# Altium PCB touch-tara-h-3 (final).PcbDoc (part 8 of 8)
Units mm, origin at the board's own origin, x right, y up, seen from the top; angles counter-clockwise.
Board outline 447.8 x 276.35 mm, 2 copper layers (Top Layer, Bottom Layer); 1040 components, 28 nets, 3254 pads, 0 vias.
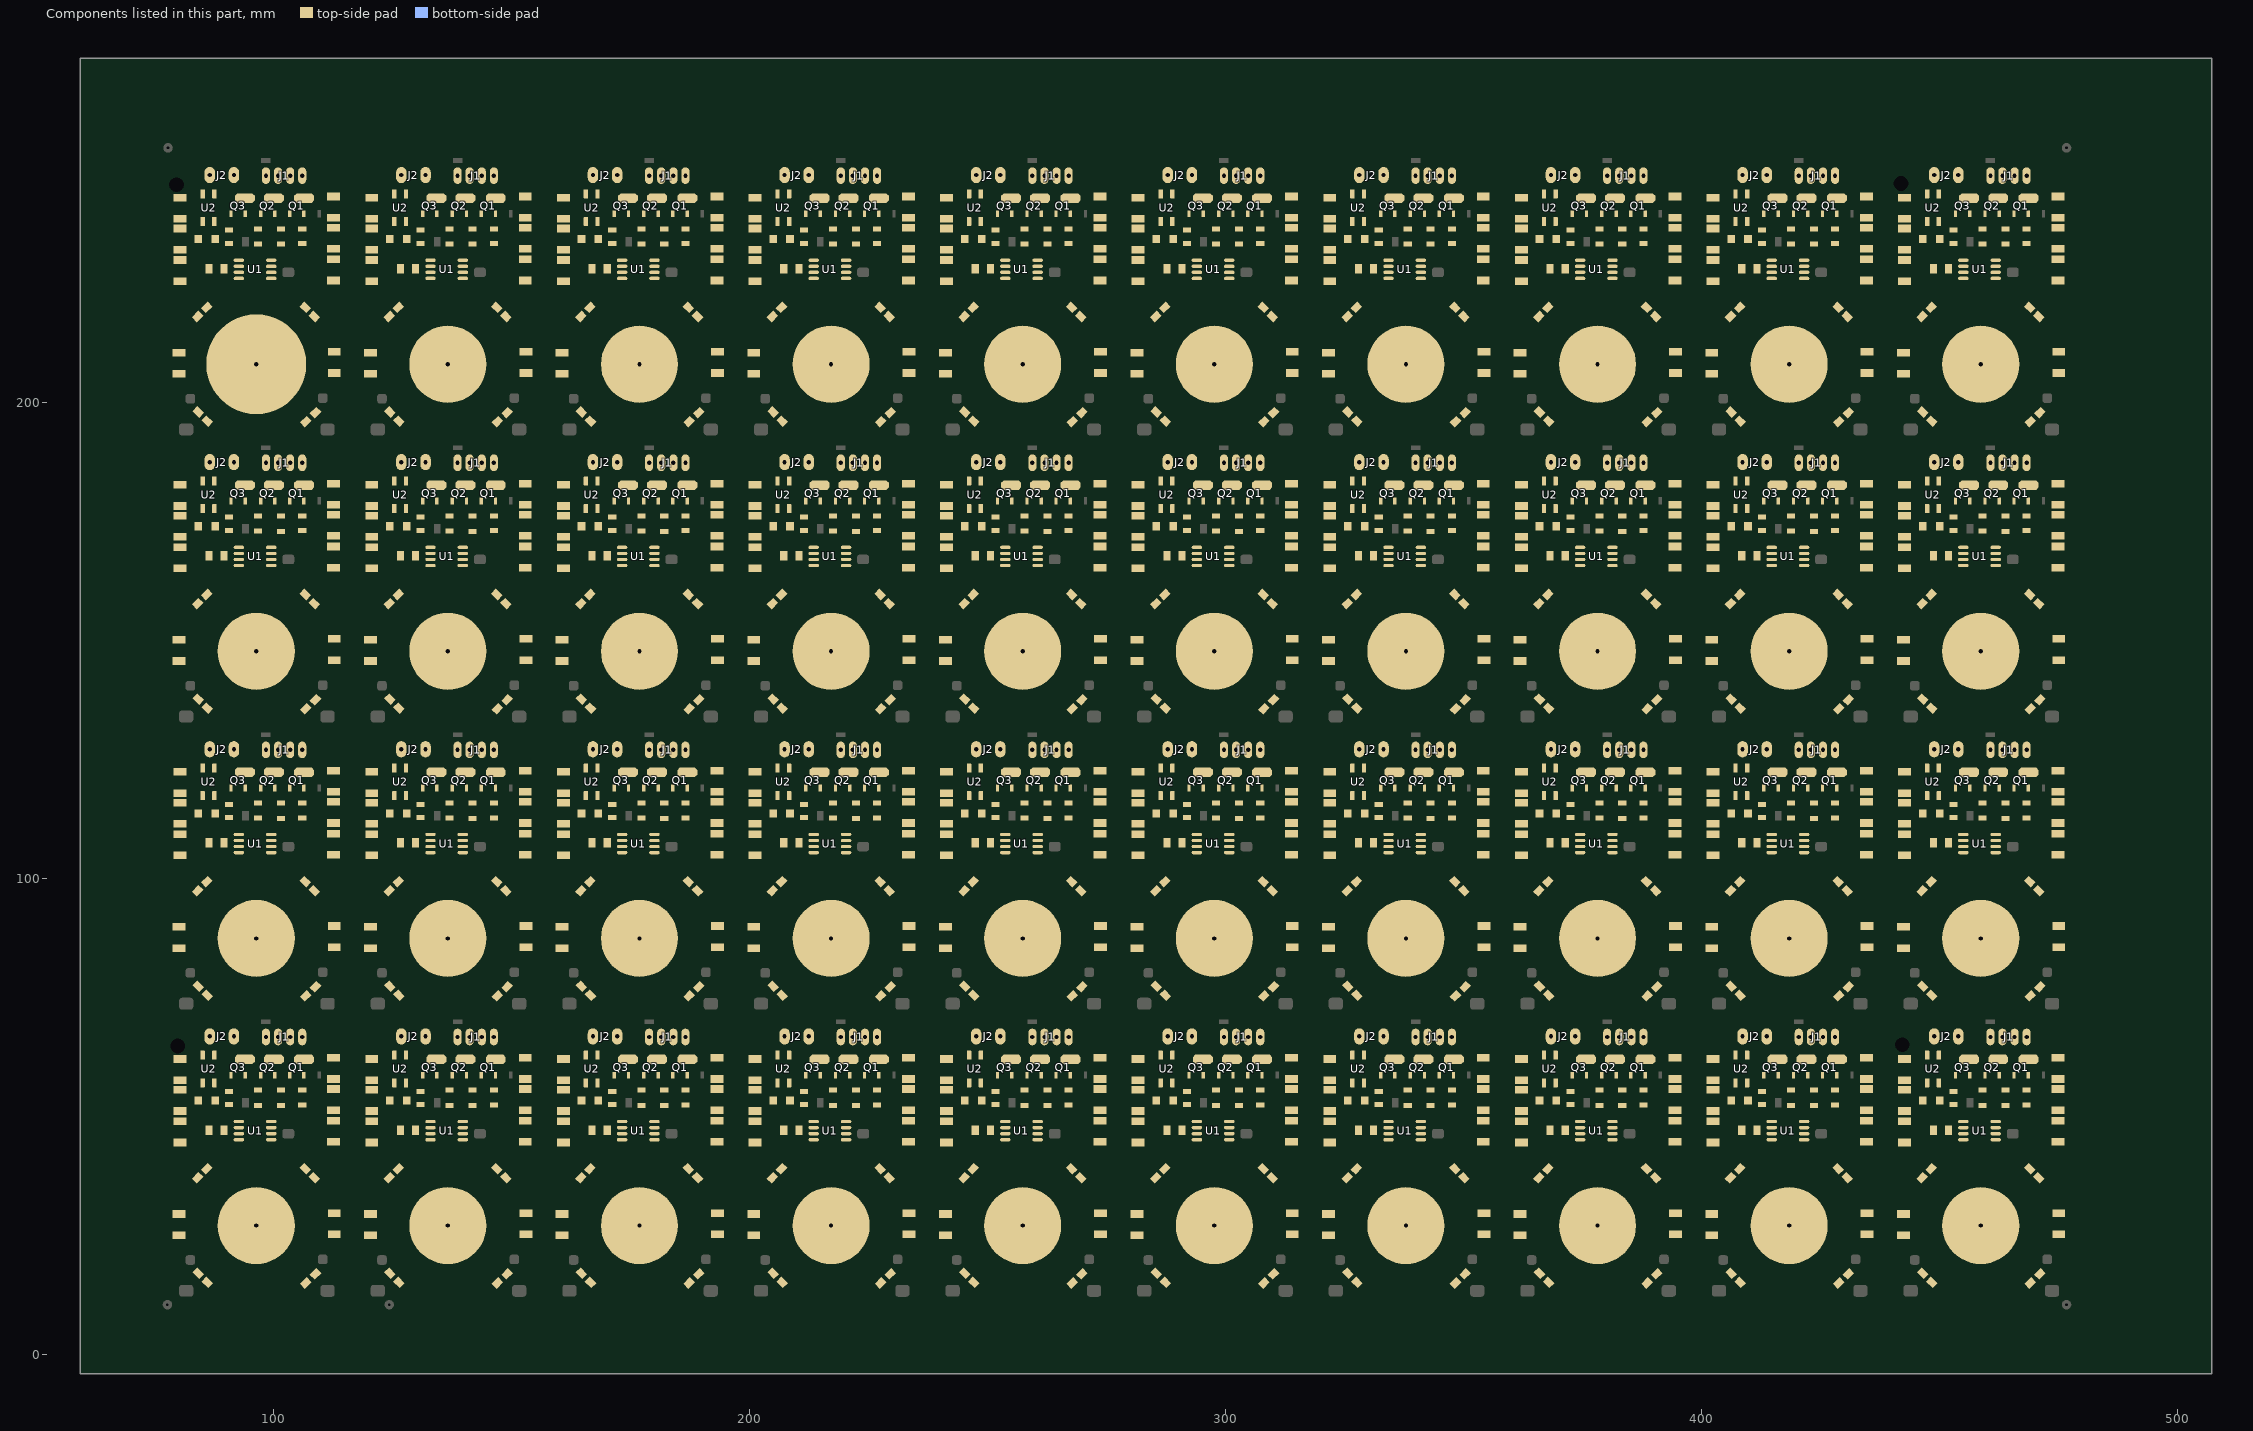
[diagram p8: the components of this part, seen from the top]

## Other copper
Top Layer:
  region net VDD: 105.334,70.612 108.712,70.612 113.919,65.405 113.919,62.738 111.76,62.738 107.95,66.548 107.95,66.802 105.664,66.802 105.537,66.929 105.664,67.056 105.664,69.596 105.029,70.231
  region: 145.593,70.612 148.971,70.612 154.178,65.405 154.178,62.738 152.019,62.738 148.209,66.548 148.209,66.802 145.923,66.802 145.796,66.929 145.923,67.056 145.923,69.596 145.288,70.231
  region: 185.852,70.612 189.23,70.612 194.437,65.405 194.437,62.738 192.278,62.738 188.468,66.548 188.468,66.802 186.182,66.802 186.055,66.929 186.182,67.056 186.182,69.596 185.547,70.231
  region: 226.111,70.612 229.489,70.612 234.696,65.405 234.696,62.738 232.537,62.738 228.727,66.548 228.727,66.802 226.441,66.802 226.314,66.929 226.441,67.056 226.441,69.596 225.806,70.231
  region: 266.37,70.612 269.748,70.612 274.955,65.405 274.955,62.738 272.796,62.738 268.986,66.548 268.986,66.802 266.7,66.802 266.573,66.929 266.7,67.056 266.7,69.596 266.065,70.231
  region: 306.629,70.612 310.007,70.612 315.214,65.405 315.214,62.738 313.055,62.738 309.245,66.548 309.245,66.802 306.959,66.802 306.832,66.929 306.959,67.056 306.959,69.596 306.324,70.231
  region: 346.888,70.612 350.266,70.612 355.473,65.405 355.473,62.738 353.314,62.738 349.504,66.548 349.504,66.802 347.218,66.802 347.091,66.929 347.218,67.056 347.218,69.596 346.583,70.231
  region: 387.147,70.612 390.525,70.612 395.732,65.405 395.732,62.738 393.573,62.738 389.763,66.548 389.763,66.802 387.477,66.802 387.35,66.929 387.477,67.056 387.477,69.596 386.842,70.231
  region: 427.406,70.612 430.784,70.612 435.991,65.405 435.991,62.738 433.832,62.738 430.022,66.548 430.022,66.802 427.736,66.802 427.609,66.929 427.736,67.056 427.736,69.596 427.101,70.231
  region: 467.665,70.612 471.043,70.612 476.25,65.405 476.25,62.738 474.091,62.738 470.281,66.548 470.281,66.802 467.995,66.802 467.868,66.929 467.995,67.056 467.995,69.596 467.36,70.231
  region: 105.334,130.937 108.712,130.937 113.919,125.73 113.919,123.063 111.76,123.063 107.95,126.873 107.95,127.127 105.664,127.127 105.537,127.254 105.664,127.381 105.664,129.921 105.029,130.556
  region: 145.593,130.937 148.971,130.937 154.178,125.73 154.178,123.063 152.019,123.063 148.209,126.873 148.209,127.127 145.923,127.127 145.796,127.254 145.923,127.381 145.923,129.921 145.288,130.556
  region: 185.852,130.937 189.23,130.937 194.437,125.73 194.437,123.063 192.278,123.063 188.468,126.873 188.468,127.127 186.182,127.127 186.055,127.254 186.182,127.381 186.182,129.921 185.547,130.556
  region: 226.111,130.937 229.489,130.937 234.696,125.73 234.696,123.063 232.537,123.063 228.727,126.873 228.727,127.127 226.441,127.127 226.314,127.254 226.441,127.381 226.441,129.921 225.806,130.556
  region: 266.37,130.937 269.748,130.937 274.955,125.73 274.955,123.063 272.796,123.063 268.986,126.873 268.986,127.127 266.7,127.127 266.573,127.254 266.7,127.381 266.7,129.921 266.065,130.556
  region: 306.629,130.937 310.007,130.937 315.214,125.73 315.214,123.063 313.055,123.063 309.245,126.873 309.245,127.127 306.959,127.127 306.832,127.254 306.959,127.381 306.959,129.921 306.324,130.556
  region: 346.888,130.937 350.266,130.937 355.473,125.73 355.473,123.063 353.314,123.063 349.504,126.873 349.504,127.127 347.218,127.127 347.091,127.254 347.218,127.381 347.218,129.921 346.583,130.556
  region: 387.147,130.937 390.525,130.937 395.732,125.73 395.732,123.063 393.573,123.063 389.763,126.873 389.763,127.127 387.477,127.127 387.35,127.254 387.477,127.381 387.477,129.921 386.842,130.556
  region: 427.406,130.937 430.784,130.937 435.991,125.73 435.991,123.063 433.832,123.063 430.022,126.873 430.022,127.127 427.736,127.127 427.609,127.254 427.736,127.381 427.736,129.921 427.101,130.556
  region: 467.665,130.937 471.043,130.937 476.25,125.73 476.25,123.063 474.091,123.063 470.281,126.873 470.281,127.127 467.995,127.127 467.868,127.254 467.995,127.381 467.995,129.921 467.36,130.556
  region: 467.665,191.262 471.043,191.262 476.25,186.055 476.25,183.388 474.091,183.388 470.281,187.198 470.281,187.452 467.995,187.452 467.868,187.579 467.995,187.706 467.995,190.246 467.36,190.881
  region: 427.406,191.262 430.784,191.262 435.991,186.055 435.991,183.388 433.832,183.388 430.022,187.198 430.022,187.452 427.736,187.452 427.609,187.579 427.736,187.706 427.736,190.246 427.101,190.881
  region: 387.147,191.262 390.525,191.262 395.732,186.055 395.732,183.388 393.573,183.388 389.763,187.198 389.763,187.452 387.477,187.452 387.35,187.579 387.477,187.706 387.477,190.246 386.842,190.881
  region: 346.888,191.262 350.266,191.262 355.473,186.055 355.473,183.388 353.314,183.388 349.504,187.198 349.504,187.452 347.218,187.452 347.091,187.579 347.218,187.706 347.218,190.246 346.583,190.881
  region: 306.629,191.262 310.007,191.262 315.214,186.055 315.214,183.388 313.055,183.388 309.245,187.198 309.245,187.452 306.959,187.452 306.832,187.579 306.959,187.706 306.959,190.246 306.324,190.881
  region: 266.37,191.262 269.748,191.262 274.955,186.055 274.955,183.388 272.796,183.388 268.986,187.198 268.986,187.452 266.7,187.452 266.573,187.579 266.7,187.706 266.7,190.246 266.065,190.881
  region: 226.111,191.262 229.489,191.262 234.696,186.055 234.696,183.388 232.537,183.388 228.727,187.198 228.727,187.452 226.441,187.452 226.314,187.579 226.441,187.706 226.441,190.246 225.806,190.881
  region: 185.852,191.262 189.23,191.262 194.437,186.055 194.437,183.388 192.278,183.388 188.468,187.198 188.468,187.452 186.182,187.452 186.055,187.579 186.182,187.706 186.182,190.246 185.547,190.881
  region: 145.593,191.262 148.971,191.262 154.178,186.055 154.178,183.388 152.019,183.388 148.209,187.198 148.209,187.452 145.923,187.452 145.796,187.579 145.923,187.706 145.923,190.246 145.288,190.881
  region: 105.334,191.262 108.712,191.262 113.919,186.055 113.919,183.388 111.76,183.388 107.95,187.198 107.95,187.452 105.664,187.452 105.537,187.579 105.664,187.706 105.664,190.246 105.029,190.881
  region: 467.665,251.587 471.043,251.587 476.25,246.38 476.25,243.713 474.091,243.713 470.281,247.523 470.281,247.777 467.995,247.777 467.868,247.904 467.995,248.031 467.995,250.571 467.36,251.206
  region: 427.406,251.587 430.784,251.587 435.991,246.38 435.991,243.713 433.832,243.713 430.022,247.523 430.022,247.777 427.736,247.777 427.609,247.904 427.736,248.031 427.736,250.571 427.101,251.206
  region: 387.147,251.587 390.525,251.587 395.732,246.38 395.732,243.713 393.573,243.713 389.763,247.523 389.763,247.777 387.477,247.777 387.35,247.904 387.477,248.031 387.477,250.571 386.842,251.206
  region: 346.888,251.587 350.266,251.587 355.473,246.38 355.473,243.713 353.314,243.713 349.504,247.523 349.504,247.777 347.218,247.777 347.091,247.904 347.218,248.031 347.218,250.571 346.583,251.206
  region: 306.629,251.587 310.007,251.587 315.214,246.38 315.214,243.713 313.055,243.713 309.245,247.523 309.245,247.777 306.959,247.777 306.832,247.904 306.959,248.031 306.959,250.571 306.324,251.206
  region: 266.37,251.587 269.748,251.587 274.955,246.38 274.955,243.713 272.796,243.713 268.986,247.523 268.986,247.777 266.7,247.777 266.573,247.904 266.7,248.031 266.7,250.571 266.065,251.206
  region: 226.111,251.587 229.489,251.587 234.696,246.38 234.696,243.713 232.537,243.713 228.727,247.523 228.727,247.777 226.441,247.777 226.314,247.904 226.441,248.031 226.441,250.571 225.806,251.206
  region: 185.852,251.587 189.23,251.587 194.437,246.38 194.437,243.713 192.278,243.713 188.468,247.523 188.468,247.777 186.182,247.777 186.055,247.904 186.182,248.031 186.182,250.571 185.547,251.206
  region: 145.593,251.587 148.971,251.587 154.178,246.38 154.178,243.713 152.019,243.713 148.209,247.523 148.209,247.777 145.923,247.777 145.796,247.904 145.923,248.031 145.923,250.571 145.288,251.206
  region: 105.334,251.587 108.712,251.587 113.919,246.38 113.919,243.713 111.76,243.713 107.95,247.523 107.95,247.777 105.664,247.777 105.537,247.904 105.664,248.031 105.664,250.571 105.029,251.206
  text "CHARDOLI-TOUCH.TARA.H.3 -1403.4.9" at 78.994,9.271 h2

## Silkscreen, mask and mechanical layers (free items; w line width, h text height)
Top Overlay:
  drawing of 360 lines, arcs and shapes, not listed
  text "Smart_Sperlus" at 80.725,250.198 h1
  text "Smart_Sperlus" at 120.984,250.198 h1
  text "Smart_Sperlus" at 161.243,250.198 h1
  text "Smart_Sperlus" at 201.502,250.198 h1
  text "Smart_Sperlus" at 241.761,250.198 h1
  text "Smart_Sperlus" at 282.02,250.198 h1
  text "Smart_Sperlus" at 322.279,250.198 h1
  text "Smart_Sperlus" at 362.538,250.198 h1
  text "Smart_Sperlus" at 402.797,250.198 h1
  text "Smart_Sperlus" at 443.056,250.198 h1
  text "Smart_Sperlus" at 80.725,189.873 h1
  text "Smart_Sperlus" at 120.984,189.873 h1
  text "Smart_Sperlus" at 161.243,189.873 h1
  text "Smart_Sperlus" at 201.502,189.873 h1
  text "Smart_Sperlus" at 241.761,189.873 h1
  text "Smart_Sperlus" at 282.02,189.873 h1
  text "Smart_Sperlus" at 322.279,189.873 h1
  text "Smart_Sperlus" at 362.538,189.873 h1
  text "Smart_Sperlus" at 402.797,189.873 h1
  text "Smart_Sperlus" at 443.056,189.873 h1
  text "Smart_Sperlus" at 80.725,129.548 h1
  text "Smart_Sperlus" at 120.984,129.548 h1
  text "Smart_Sperlus" at 161.243,129.548 h1
  text "Smart_Sperlus" at 201.502,129.548 h1
  text "Smart_Sperlus" at 241.761,129.548 h1
  text "Smart_Sperlus" at 282.02,129.548 h1
  text "Smart_Sperlus" at 322.279,129.548 h1
  text "Smart_Sperlus" at 362.538,129.548 h1
  text "Smart_Sperlus" at 402.797,129.548 h1
  text "Smart_Sperlus" at 443.056,129.548 h1
  text "Smart_Sperlus" at 80.725,69.223 h1
  text "Smart_Sperlus" at 120.984,69.223 h1
  text "Smart_Sperlus" at 161.243,69.223 h1
  text "Smart_Sperlus" at 201.502,69.223 h1
  text "Smart_Sperlus" at 241.761,69.223 h1
  text "Smart_Sperlus" at 282.02,69.223 h1
  text "Smart_Sperlus" at 322.279,69.223 h1
  text "Smart_Sperlus" at 362.538,69.223 h1
  text "Smart_Sperlus" at 402.797,69.223 h1
  text "Smart_Sperlus" at 443.056,69.223 h1
Bottom Overlay:
  drawing of 87 lines, arcs and shapes, not listed

## Text inside footprints (layer, text, board x,y; h text height)
U2: Top Overlay "+" at 84.074,56.134 h1 r90; Top Overlay "-" at 88.9,56.007 h1
U2: Top Overlay "-" at 129.159,56.007 h1; Top Overlay "+" at 124.333,56.134 h1 r90
U2: Top Overlay "+" at 164.592,56.134 h1 r90; Top Overlay "-" at 169.418,56.007 h1
U2: Top Overlay "+" at 204.851,56.134 h1 r90; Top Overlay "-" at 209.677,56.007 h1
U2: Top Overlay "+" at 245.11,56.134 h1 r90; Top Overlay "-" at 249.936,56.007 h1
U2: Top Overlay "+" at 285.369,56.134 h1 r90; Top Overlay "-" at 290.195,56.007 h1
U2: Top Overlay "+" at 325.628,56.134 h1 r90; Top Overlay "-" at 330.454,56.007 h1
U2: Top Overlay "+" at 365.887,56.134 h1 r90; Top Overlay "-" at 370.713,56.007 h1
U2: Top Overlay "+" at 406.146,56.134 h1 r90; Top Overlay "-" at 410.972,56.007 h1
U2: Top Overlay "+" at 446.405,56.134 h1 r90; Top Overlay "-" at 451.231,56.007 h1
U2: Top Overlay "+" at 84.074,116.459 h1 r90; Top Overlay "-" at 88.9,116.332 h1
U2: Top Overlay "-" at 129.159,116.332 h1; Top Overlay "+" at 124.333,116.459 h1 r90
U2: Top Overlay "+" at 164.592,116.459 h1 r90; Top Overlay "-" at 169.418,116.332 h1
U2: Top Overlay "+" at 204.851,116.459 h1 r90; Top Overlay "-" at 209.677,116.332 h1
U2: Top Overlay "+" at 245.11,116.459 h1 r90; Top Overlay "-" at 249.936,116.332 h1
U2: Top Overlay "+" at 285.369,116.459 h1 r90; Top Overlay "-" at 290.195,116.332 h1
U2: Top Overlay "+" at 325.628,116.459 h1 r90; Top Overlay "-" at 330.454,116.332 h1
U2: Top Overlay "+" at 365.887,116.459 h1 r90; Top Overlay "-" at 370.713,116.332 h1
U2: Top Overlay "+" at 406.146,116.459 h1 r90; Top Overlay "-" at 410.972,116.332 h1
U2: Top Overlay "+" at 446.405,116.459 h1 r90; Top Overlay "-" at 451.231,116.332 h1
U2: Top Overlay "-" at 451.231,176.657 h1; Top Overlay "+" at 446.405,176.784 h1 r90
U2: Top Overlay "-" at 410.972,176.657 h1; Top Overlay "+" at 406.146,176.784 h1 r90
U2: Top Overlay "-" at 370.713,176.657 h1; Top Overlay "+" at 365.887,176.784 h1 r90
U2: Top Overlay "-" at 330.454,176.657 h1; Top Overlay "+" at 325.628,176.784 h1 r90
U2: Top Overlay "-" at 290.195,176.657 h1; Top Overlay "+" at 285.369,176.784 h1 r90
U2: Top Overlay "-" at 249.936,176.657 h1; Top Overlay "+" at 245.11,176.784 h1 r90
U2: Top Overlay "-" at 209.677,176.657 h1; Top Overlay "+" at 204.851,176.784 h1 r90
U2: Top Overlay "-" at 169.418,176.657 h1; Top Overlay "+" at 164.592,176.784 h1 r90
U2: Top Overlay "+" at 124.333,176.784 h1 r90; Top Overlay "-" at 129.159,176.657 h1
U2: Top Overlay "-" at 88.9,176.657 h1; Top Overlay "+" at 84.074,176.784 h1 r90
U2: Top Overlay "-" at 451.231,236.982 h1; Top Overlay "+" at 446.405,237.109 h1 r90
U2: Top Overlay "-" at 410.972,236.982 h1; Top Overlay "+" at 406.146,237.109 h1 r90
U2: Top Overlay "-" at 370.713,236.982 h1; Top Overlay "+" at 365.887,237.109 h1 r90
U2: Top Overlay "-" at 330.454,236.982 h1; Top Overlay "+" at 325.628,237.109 h1 r90
U2: Top Overlay "-" at 290.195,236.982 h1; Top Overlay "+" at 285.369,237.109 h1 r90
U2: Top Overlay "-" at 249.936,236.982 h1; Top Overlay "+" at 245.11,237.109 h1 r90
U2: Top Overlay "-" at 209.677,236.982 h1; Top Overlay "+" at 204.851,237.109 h1 r90
U2: Top Overlay "-" at 169.418,236.982 h1; Top Overlay "+" at 164.592,237.109 h1 r90
U2: Top Overlay "+" at 124.333,237.109 h1 r90; Top Overlay "-" at 129.159,236.982 h1
U2: Top Overlay "-" at 88.9,236.982 h1; Top Overlay "+" at 84.074,237.109 h1 r90